# Altium PCB GN-1846-E-V2.PcbDoc (part 4 of 8) (continued)
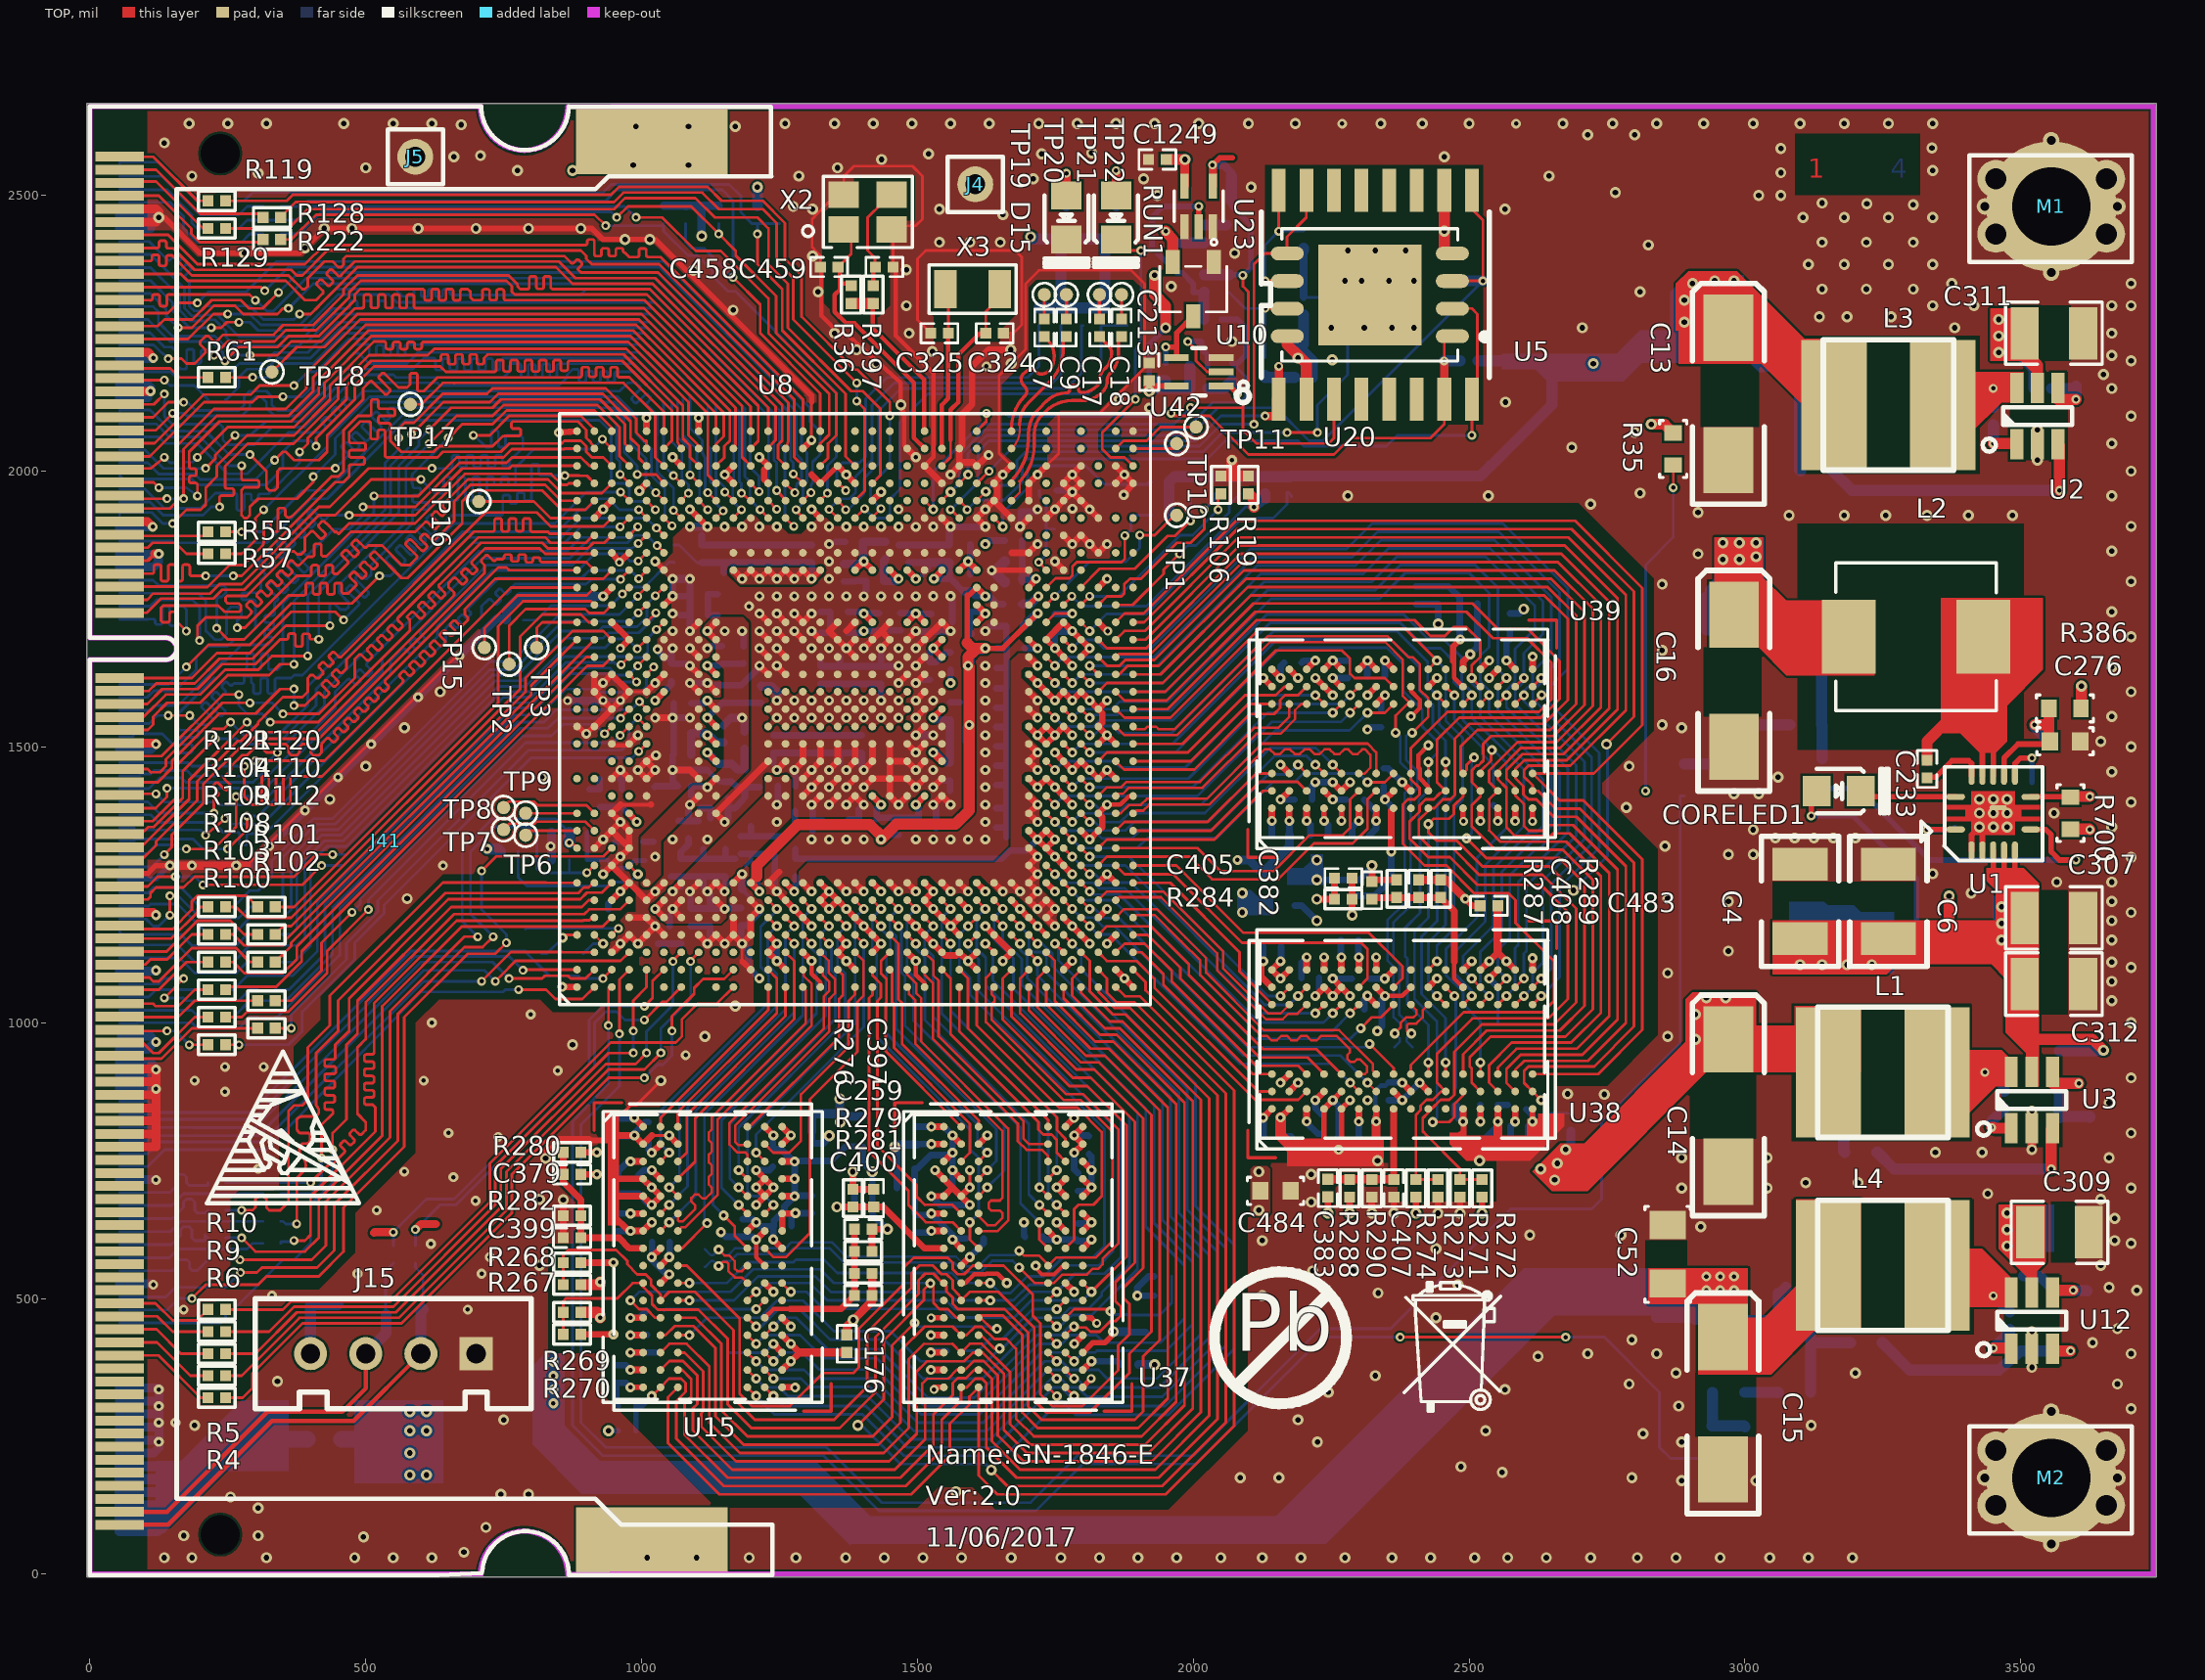
[diagram p0: TOP view]
## Nets (pads, with @x,y where several pads share a name; then routed paths per layer and width w, separated by ;. In a path a pad name is that pad's centre, name@x,y a point inside that pad or via, vN(x,y) a via of type N, cw(c..) or ccw(c..) an arc to the next point about the centre after c; other vN are vias at no path point) (continued)
G0_A1_656_5: U8.E25 | length 1229.3
  TOP w5: v3(210,1340) v3(245,1370) ; v3(995,1805) 995,1806.04 1009.48,1820.52 U8.E25@1009,1820.52
  BOTTOM w5: 54,1353.46 80,1353.46 80,1349.5 200.5,1349.5 v3(210,1340) ; v3(245,1370) 255,1360 312.67,1360 645,1692.33 645,1715 651.94,1721.94 cw(c654.6,1719.29) 657.25,1721.94 661.88,1717.32 ccw(c664.53,1719.97) 667.18,1717.32 671.07,1721.21 ccw(c668.42,1723.86) 672.17,1723.86 ccw(c668.42,1723.86) 671.07,1726.51 668.55,1729.02 cw(c671.2,1731.68) 667.45,1731.68 cw(c671.2,1731.68) 668.55,1734.33 672.44,1738.22 cw(c675.09,1735.56) 677.75,1738.22 680.26,1735.7 ccw(c682.91,1738.35) 685.56,1735.7 689.45,1739.59 ccw(c686.8,1742.24) 690.55,1742.24 ccw(c686.8,1742.24) 689.45,1744.89 686.94,1747.41 cw(c689.59,1750.06) 685.84,1750.06 cw(c689.59,1750.06) 686.94,1752.71 741.42,1807.19 892.19,1807.19 905,1820 980,1820 v3(995,1805)
G0_A1_656_6: U8.E26 | length 1224.5
  TOP w5: v3(250,1315) 285,1350 v3(285,1375) ; v3(994,1837) U8.E26@1009,1852.01
  BOTTOM w5: 54,1329.84 80.16,1329.84 81,1330.68 81,1332.84 187,1332.84 204.84,1315 v3(250,1315) ; v3(285,1375) 305,1375 630,1700 630,1720 730,1820 885,1820 915,1850 966,1850 979,1837 v3(994,1837)
G0_A1_656_7: U8.F26 | length 1290.8
  TOP w5: v3(175,1315) 225,1315 265,1355 v3(265,1410) ; v3(1028,1865) 1040.49,1852.51 U8.F26@1040.49,1852.01
  BOTTOM w5: 54,1306.22 103,1306.22 119,1322.22 154,1322.22 154,1322 161,1315 v3(175,1315) ; v3(265,1410) 303.03,1410 530,1636.97 530,1660 711.96,1841.96 870,1841.96 898.04,1870 974.36,1870 987.86,1883.5 1009.5,1883.5 v3(1028,1865)
G0_A1_656_CLK: J41.102 U8.B26 | length 1228
  TOP w5: v3(135,1305) 148.41,1318.41 148.41,1340.68 206,1398.27 206,1433 270.62,1497.62 278.21,1497.62 307.38,1526.79 411.79,1526.79 660,1775 660,1780 650,1790 650,1797.06 658.42,1805.47 cw(c661.07,1802.82) 663.72,1805.47 673.04,1796.15 ccw(c675.69,1798.8) 678.34,1796.15 682.23,1800.04 ccw(c679.58,1802.69) 683.33,1802.69 ccw(c679.58,1802.69) 682.24,1805.34 674.61,1812.97 cw(c677.26,1815.62) 673.51,1815.62 cw(c677.26,1815.62) 674.61,1818.27 678.5,1822.16 cw(c681.15,1819.51) 683.8,1822.16 691.43,1814.54 ccw(c694.08,1817.19) 696.73,1814.54 700.62,1818.43 ccw(c697.97,1821.08) 701.72,1821.08 ccw(c697.97,1821.08) 700.62,1823.73 693,1831.35 cw(c695.65,1834) 691.9,1834 cw(c695.65,1834) 693,1836.66 716.34,1860 815,1860 825,1850 914.51,1850 U8.B26@914.51,1852.01
  BOTTOM w5: J41.102@54,1282.6 112.6,1282.6 v3(135,1305)
G0_A1_I2C_CLK: R102.1 U8.E16 | length 973.7
  TOP w5: R102.1@336,990 v3(365,990) ; v3(993,1553) v3(993,1553) U8.E16@1009,1537.05
  BOTTOM w5: v3(365,990) 365,1015 465,1115 465,1144 522.13,1201.13 522.13,1221.13 795,1494 964,1494 977,1507 977,1537 v3(993,1553)
G0_A1_I2C_SDA: R103.1 U8.D16 | length 983.8
  TOP w5: R103.1@246,1010 275,1010 285,1020 360,1020 430,1090 430,1130 v3(505,1205) ; v3(961,1521) 977.05,1537.05 U8.D16@977.5,1537.05
  BOTTOM w5: v3(505,1205) 505,1223 790,1508 948,1508 v3(961,1521)
G0_A2_656_0: U8.C27 | length 1247.2
  TOP w5: 54,1483.39 130,1483.39 241.61,1595 v3(270,1595) ; v3(327,1545) 414.14,1545 580,1710.86 580,1730 575,1735 575,1736.52 581.94,1743.46 ; 581.94,1743.46 cw(c584.6,1740.81) 587.25,1743.47 596.85,1733.86 ccw(c599.5,1736.52) 602.15,1733.86 606.04,1737.75 ccw(c603.39,1740.4) 607.14,1740.4 ccw(c603.39,1740.4) 606.04,1743.06 596.6,1752.5 cw(c599.25,1755.15) 595.5,1755.15 cw(c599.25,1755.15) 596.6,1757.8 600.49,1761.69 cw(c603.14,1759.04) 605.79,1761.69 615.23,1752.25 ccw(c617.89,1754.9) 620.54,1752.25 624.43,1756.14 ccw(c621.77,1758.79) 625.52,1758.79 ccw(c621.77,1758.79) 624.43,1761.44 614.99,1770.88 cw(c617.64,1773.53) 613.89,1773.53 cw(c617.64,1773.53) 614.98,1776.18 618.88,1780.07 cw(c621.53,1777.42) 624.18,1780.07 633.62,1770.63 ccw(c636.27,1773.28) 638.92,1770.63 642.81,1774.52 ccw(c640.16,1777.17) 643.91,1777.17 ccw(c640.16,1777.17) 642.81,1779.83 633.37,1789.27 cw(c636.02,1791.92) 632.27,1791.92 cw(c636.02,1791.92) 633.37,1794.57 708.8,1870 820,1870 830,1860 902.53,1860 912.53,1870 932.5,1870 U8.C27@946.01,1883.51
  BOTTOM w5: v3(270,1595) 270,1575 285,1560 312,1560 v3(327,1545)
G0_A2_656_1: U8.B27 | length 1208
  TOP w5: 54,1459.76 104.79,1459.76 110.56,1454 ; 110,1454 110.56,1454 ; v3(290,1580) 240.24,1580 138,1477.76 138,1465 127,1454 111.44,1454 ; v3(350,1560) 415,1560 480,1625 480,1659.4 487.25,1666.64 cw(c489.9,1663.99) 492.55,1666.64 501.33,1657.86 ccw(c503.98,1660.51) 506.63,1657.86 510.52,1661.75 ccw(c507.87,1664.4) 511.62,1664.4 ccw(c507.87,1664.4) 510.52,1667.05 503.85,1673.73 cw(c506.5,1676.38) 502.75,1676.38 cw(c506.5,1676.38) 503.85,1679.03 507.74,1682.92 cw(c510.39,1680.27) 513.04,1682.92 519.72,1676.25 ccw(c522.37,1678.9) 525.02,1676.25 528.91,1680.14 ccw(c526.26,1682.79) 530.01,1682.79 ccw(c526.26,1682.79) 528.91,1685.44 522.23,1692.11 ; 522.23,1692.12 cw(c524.88,1694.77) 521.13,1694.77 cw(c524.88,1694.77) 522.23,1697.42 526.12,1701.31 cw(c528.77,1698.65) 531.42,1701.31 ; 531.43,1701.31 538.1,1694.63 ccw(c540.75,1697.28) 543.4,1694.63 547.29,1698.52 ccw(c544.64,1701.17) 548.39,1701.17 ccw(c544.64,1701.17) 547.29,1703.82 540.62,1710.5 cw(c543.27,1713.15) 539.52,1713.15 cw(c543.27,1713.15) 540.62,1715.8 544.51,1719.69 cw(c547.16,1717.04) 549.81,1719.69 556.49,1713.02 ccw(c559.14,1715.67) 561.79,1713.02 565.68,1716.91 ccw(c563.03,1719.56) 566.78,1719.56 ccw(c563.03,1719.56) 565.68,1722.21 558.76,1729.12 cw(c561.42,1731.77) 557.67,1731.77 cw(c561.42,1731.77) 558.76,1734.43 704.34,1880 825,1880 835,1870 898.93,1870 913.47,1884.55 U8.B27@914.51,1883.51 ; 110.56,1454 111.44,1454 ; 110.56,1454 111,1453.56 111.44,1454
  BOTTOM w5: v3(290,1580) 330,1580 v3(350,1560)
G0_A2_656_2: U8.A27 | length 1274.9
  TOP w5: 54,1436.14 123.14,1436.14 149,1462 149,1475.14 234.43,1560.57 300.57,1560.57 345,1605 v3(370,1605) ; v3(370,1575) 390,1575 411.94,1596.94 cw(c414.6,1594.29) 417.25,1596.94 423.32,1590.88 ccw(c425.97,1593.53) 428.62,1590.88 432.51,1594.77 ccw(c429.86,1597.42) 433.61,1597.42 ccw(c429.86,1597.42) 432.51,1600.07 422.07,1610.51 cw(c424.72,1613.16) 420.97,1613.16 cw(c424.72,1613.16) 422.07,1615.81 425.96,1619.7 cw(c428.61,1617.05) 431.26,1619.7 440.4,1610.56 ccw(c443.05,1613.22) 445.7,1610.56 449.59,1614.45 ccw(c446.94,1617.1) 450.69,1617.1 ccw(c446.94,1617.1) 449.59,1619.76 439.98,1629.37 cw(c442.63,1632.02) 438.88,1632.02 cw(c442.63,1632.02) 439.98,1634.67 443.87,1638.56 cw(c446.52,1635.91) 449.17,1638.56 452.64,1635.1 ccw(c455.29,1637.75) 457.94,1635.1 465,1642.16 465,1658.54 696.92,1890.46 729.75,1890.46 ccw(c729.75,1894.21) 733.5,1894.21 733.5,1910.38 cw(c737.25,1910.38) 737.25,1914.13 742.75,1914.13 cw(c742.75,1910.38) 746.5,1910.38 746.5,1894.36 ccw(c750.25,1894.36) 750.25,1890.61 755.75,1890.61 ccw(c755.75,1894.36) 759.5,1894.36 759.5,1910.38 cw(c763.25,1910.38) 763.25,1914.13 768.75,1914.13 cw(c768.75,1910.38) 772.5,1910.38 772.5,1894.96 ccw(c776.25,1894.96) 776.25,1891.21 781.75,1891.21 ccw(c781.75,1894.96) 785.5,1894.96 785.5,1910.38 cw(c789.25,1910.38) 789.25,1914.13 794.75,1914.13 cw(c794.75,1910.38) 798.5,1910.38 798.5,1893.75 ccw(c802.25,1893.75) 802.25,1890 830,1890 833.48,1886.52 880,1886.52 U8.A27@883.01,1883.51
  BOTTOM w5: v3(370,1575) v3(370,1605)
G0_A2_656_3: U8.E27 | length 1231.2
  TOP w5: 54,1412.52 65,1412.52 67.48,1415 v3(120,1415) ; v3(994,1869) 1008.51,1883.51 U8.E27@1009,1883.51
  BOTTOM w5: v3(120,1415) 135,1400 231.06,1400 236.39,1394.67 307.17,1394.67 545,1632.5 545,1655 566.94,1676.94 cw(c569.6,1674.29) 572.25,1676.94 578.25,1670.94 ccw(c580.9,1673.59) 583.55,1670.94 587.44,1674.83 ccw(c584.79,1677.48) 588.54,1677.48 ccw(c584.79,1677.48) 587.44,1680.13 581.31,1686.26 cw(c583.97,1688.91) 580.22,1688.91 cw(c583.97,1688.91) 581.31,1691.56 ; 581.31,1691.57 585.2,1695.46 cw(c587.86,1692.8) 590.51,1695.46 596.64,1689.32 ccw(c599.29,1691.98) 601.94,1689.32 605.83,1693.21 ; 605.83,1693.22 ccw(c603.18,1695.87) 606.93,1695.87 ccw(c603.18,1695.87) 605.83,1698.52 599.7,1704.65 cw(c602.35,1707.3) 598.6,1707.3 cw(c602.35,1707.3) 599.7,1709.95 719.75,1830 875,1830 905,1860 982.49,1860 v3(994,1869)
G0_A2_656_4: U8.D27 | length 1259.1
  TOP w5: 54,1388.9 119.5,1388.9 139.71,1409.11 139.71,1419.71 140,1420 v3(140,1425) ; U8.D27@977.5,1883.51 v3(993,1899)
  BOTTOM w5: v3(140,1425) 300,1425 445,1570 445,1600 466.94,1621.94 cw(c469.6,1619.29) 472.25,1621.94 480.27,1613.92 ccw(c482.92,1616.57) 485.57,1613.92 489.46,1617.81 ccw(c486.81,1620.46) 490.56,1620.46 ccw(c486.81,1620.46) 489.46,1623.11 482.85,1629.72 cw(c485.51,1632.38) 481.76,1632.38 cw(c485.51,1632.38) 482.85,1635.03 486.74,1638.92 cw(c489.39,1636.26) 492.04,1638.92 500.77,1630.19 ccw(c503.42,1632.85) 506.07,1630.19 509.96,1634.08 ccw(c507.31,1636.74) 511.06,1636.74 ccw(c507.31,1636.74) 509.96,1639.39 502.52,1646.83 cw(c505.17,1649.48) 501.42,1649.48 cw(c505.17,1649.48) 502.52,1652.13 705.39,1855 865,1855 890,1880 971.49,1880 991.75,1900.25 v3(993,1899)
G0_A2_656_5: U8.F27 | length 1303.5
  TOP w5: 54,1365.28 113.51,1365.28 159.5,1411.27 159.5,1469 223,1532.5 242.5,1532.5 v3(255,1545) ; v3(1027,1897) U8.F27@1040.49,1883.51
  BOTTOM w5: v3(255,1545) 285,1515 350,1515 410,1575 410,1605 685,1880 855,1880 890,1915 1009,1915 v3(1027,1897)
G0_A2_656_6: U8.D28 | length 1214.9
  TOP w5: 54,1341.65 54,1340.01 91.08,1340.01 105.94,1354.87 115.83,1354.87 168.5,1407.54 168.5,1456.5 v3(227,1515) ; v3(961,1899) 977.01,1915.01 U8.D28@977.5,1915.01
  BOTTOM w5: v3(227,1515) 265,1515 275,1505 355,1505 425,1575 425,1600 695,1870 861,1870 890,1899 v3(961,1899)
G0_A2_656_7: U8.E28 | length 1291.6
  TOP w5: 54,1318.03 54,1316.39 91.08,1316.39 180,1405.31 180,1440 v3(285,1545) ; v3(995,1930) 1009,1916 U8.E28@1009,1915.01
  BOTTOM w5: v3(285,1545) 305,1525 345,1525 395,1575 395,1610 675,1890 847.24,1890 887.24,1930 900,1930 920,1950 940,1950 960,1930 v3(995,1930)
G0_A2_656_CLK: J41.101 U8.C28 | length 1267.3
  TOP w5: J41.101@54,1294.41 54,1292.77 91.08,1292.77 120,1321.69 120,1328.79 194.51,1403.3 194.51,1437.41 268,1510.9 274,1510.9 305.1,1542 305.1,1545.1 315,1555 315,1555.2 349.8,1590 385,1590 395,1600 395,1625 400,1630 405,1630 410,1625 415,1625 421.94,1631.94 ccw(c419.29,1634.6) 423.04,1634.6 ccw(c419.29,1634.6) 421.94,1637.25 416.04,1643.15 cw(c418.69,1645.8) 414.94,1645.8 cw(c418.69,1645.8) 416.04,1648.45 419.93,1652.34 cw(c422.58,1649.69) 425.23,1652.34 430.71,1646.86 ccw(c433.36,1649.52) 436.02,1646.86 439.91,1650.75 ccw(c437.25,1653.4) 441,1653.4 ccw(c437.25,1653.4) 439.91,1656.06 434.43,1661.54 cw(c437.08,1664.19) 433.33,1664.19 cw(c437.08,1664.19) 434.43,1666.84 438.32,1670.73 cw(c440.97,1668.08) 443.62,1670.73 450.68,1663.67 ccw(c453.33,1666.32) 455.98,1663.66 ; 455.98,1663.67 717.32,1925 810,1925 835,1900 931,1900 U8.C28@946.01,1915.01
G0_A2_I2C_CLK: R100.1 U8.E15 | length 1035.8
  TOP w5: R100.1@246,960 v3(270,960) ; v3(995,1492) 1008.56,1505.56 U8.E15@1009,1505.56
  BOTTOM w5: v3(270,960) 360,960 385,985 385,1020 480,1115 480,1145 533.56,1198.56 533.56,1213.56 800,1480 983,1480 v3(995,1492)
G0_A2_I2C_SDA: R101.1 U8.C16 | length 865.1
  TOP w5: R101.1@336,1040 365,1040 420,1095 420,1145 v3(475,1200) ; v3(933,1524) U8.C16@946.01,1537.05
  BOTTOM w5: v3(475,1200) 490,1215 490,1225 785,1520 837,1520 858,1541 916,1541 v3(933,1524)
G1_A1_656_0: U8.B29 | length 1374.2
  TOP w5: v3(230,1715) 250,1695 280,1695 360,1775 387.75,1775 ccw(c387.75,1778.75) 391.5,1778.75 391.5,1793.38 cw(c395.25,1793.38) 395.25,1797.13 400.75,1797.13 cw(c400.75,1793.38) 404.5,1793.38 404.5,1780.45 ccw(c408.25,1780.45) 408.25,1776.7 413.75,1776.7 ccw(c413.75,1780.45) 417.5,1780.45 417.5,1793.38 cw(c421.25,1793.38) 421.25,1797.13 426.75,1797.13 cw(c426.75,1793.38) 430.5,1793.38 430.5,1780.45 ccw(c434.25,1780.45) 434.25,1776.7 439.75,1776.7 ccw(c439.75,1780.45) 443.5,1780.45 443.5,1793.38 cw(c447.25,1793.38) 447.25,1797.13 452.75,1797.13 cw(c452.75,1793.38) 456.5,1793.38 456.5,1782.02 ccw(c460.25,1782.02) 460.25,1778.27 468.27,1778.27 481.94,1791.94 ccw(c479.29,1794.6) 483.04,1794.6 ccw(c479.29,1794.6) 481.94,1797.25 472.3,1806.89 cw(c474.95,1809.54) 471.2,1809.54 cw(c474.95,1809.54) 472.3,1812.19 476.19,1816.08 cw(c478.84,1813.43) 481.49,1816.08 490.86,1806.72 ccw(c493.51,1809.37) 496.16,1806.72 500.05,1810.61 ccw(c497.4,1813.26) 501.15,1813.26 ccw(c497.4,1813.26) 500.05,1815.91 490.69,1825.28 cw(c493.34,1827.93) 489.59,1827.93 cw(c493.34,1827.93) 490.69,1830.58 494.58,1834.47 cw(c497.23,1831.82) 499.88,1834.47 510.94,1823.4 ccw(c513.59,1826.06) 516.24,1823.4 520.14,1827.29 ccw(c517.48,1829.94) 521.23,1829.94 ccw(c517.48,1829.94) 520.14,1832.59 509.07,1843.66 cw(c511.72,1846.31) 507.97,1846.31 cw(c511.72,1846.31) 509.07,1848.96 512.96,1852.85 cw(c515.61,1850.2) 518.26,1852.85 565,1806.12 576.12,1806.12 675,1905 675,1945 695,1965 820,1965 855,1930 898.01,1930 U8.B29@914.51,1946.5
  BOTTOM w5: 54,1802.28 115,1802.28 125,1792.28 242.72,1792.28 247,1788 247,1780 239,1772 234,1772 230,1768 v3(230,1715)
G1_A1_656_1: U8.A29 | length 1389.5
  TOP w5: v3(267,1716) 281,1716 375,1810 397.75,1810 ccw(c397.75,1813.75) 401.5,1813.75 401.5,1825.73 cw(c405.25,1825.73) 405.25,1829.48 410.75,1829.48 cw(c410.75,1825.73) 414.5,1825.73 414.5,1813.88 ccw(c418.25,1813.88) 418.25,1810.13 423.75,1810.13 ccw(c423.75,1813.88) 427.5,1813.88 427.5,1825.73 cw(c431.25,1825.73) 431.25,1829.48 436.75,1829.48 cw(c436.75,1825.73) 440.5,1825.73 440.5,1817.55 ccw(c444.25,1817.55) 444.25,1813.8 448.8,1813.8 466.94,1831.94 ccw(c464.29,1834.6) 468.04,1834.6 ccw(c464.29,1834.6) 466.94,1837.25 457.56,1846.64 cw(c460.21,1849.29) 456.46,1849.29 cw(c460.21,1849.29) 457.56,1851.94 461.45,1855.83 cw(c464.1,1853.18) 466.75,1855.83 476.78,1845.8 ccw(c479.43,1848.45) 482.08,1845.8 485.97,1849.69 ccw(c483.32,1852.34) 487.07,1852.34 ccw(c483.32,1852.34) 485.97,1854.99 475.94,1865.02 cw(c478.59,1867.67) 474.84,1867.67 cw(c478.59,1867.67) 475.94,1870.32 479.83,1874.21 cw(c482.48,1871.56) 485.13,1874.21 496.81,1862.54 ccw(c499.46,1865.19) 502.11,1862.54 504.57,1865 530,1865 565,1830 580,1830 591.94,1841.94 ccw(c589.29,1844.6) 593.04,1844.6 ccw(c589.29,1844.6) 591.94,1847.25 573.61,1865.59 cw(c576.26,1868.24) 572.51,1868.24 cw(c576.26,1868.24) 573.61,1870.89 577.5,1874.78 cw(c580.15,1872.13) 582.8,1874.78 600.93,1856.65 ccw(c603.58,1859.3) 606.23,1856.65 610.12,1860.54 ccw(c607.47,1863.19) 611.22,1863.19 ccw(c607.47,1863.19) 610.12,1865.84 600.08,1875.88 cw(c602.73,1878.53) 598.98,1878.53 cw(c602.73,1878.53) 600.08,1881.18 603.97,1885.07 cw(c606.62,1882.42) 609.27,1885.08 619.31,1875.03 ccw(c621.97,1877.68) 624.62,1875.03 634.59,1885 635,1885 660,1910 660,1945 690,1975 825,1975 853.5,1946.5 U8.A29@883.01,1946.5
  BOTTOM w5: 54,1778.66 196.34,1778.66 210,1765 210,1710 211,1710 226.51,1694.49 238,1694.49 248,1704.49 248,1746 256,1754 268,1754 275,1747 275,1737 267,1729 v3(267,1716)
G1_A1_656_2: U8.C30 | length 1365.5
  TOP w5: v3(199,1693) 195,1695 195,1720 210,1735 285,1735 291.94,1741.94 ccw(c289.29,1744.6) 293.04,1744.6 ccw(c289.29,1744.6) 291.94,1747.25 285.05,1754.14 cw(c287.71,1756.79) 283.96,1756.79 cw(c287.71,1756.79) 285.05,1759.44 288.94,1763.33 cw(c291.59,1760.68) 294.25,1763.33 301.19,1756.39 ccw(c303.84,1759.04) 306.49,1756.39 310.38,1760.28 ccw(c307.73,1762.93) 311.48,1762.93 ccw(c307.73,1762.93) 310.38,1765.58 303.44,1772.52 cw(c306.09,1775.18) 302.34,1775.18 cw(c306.09,1775.18) 303.44,1777.83 307.33,1781.72 cw(c309.98,1779.06) 312.63,1781.72 319.57,1774.77 ; 319.58,1774.77 ccw(c322.23,1777.42) 324.88,1774.77 328.77,1778.66 ccw(c326.11,1781.31) 329.86,1781.31 ccw(c326.11,1781.31) 328.77,1783.96 ; 328.77,1783.97 321.82,1790.91 cw(c324.47,1793.56) 320.72,1793.56 cw(c324.47,1793.56) 321.82,1796.21 325.71,1800.1 cw(c328.36,1797.45) 331.02,1800.1 337.96,1793.16 ccw(c340.61,1795.81) 343.26,1793.16 347.15,1797.05 ccw(c344.5,1799.7) 348.25,1799.7 ccw(c344.5,1799.7) 347.15,1802.35 340.21,1809.29 cw(c342.86,1811.95) 339.11,1811.95 cw(c342.86,1811.95) 340.21,1814.6 344.1,1818.49 cw(c346.75,1815.83) 349.4,1818.49 356.34,1811.54 ccw(c358.99,1814.19) 361.64,1811.54 365.54,1815.43 ccw(c362.88,1818.08) 366.63,1818.08 ccw(c362.88,1818.08) 365.54,1820.74 358.59,1827.68 cw(c361.24,1830.33) 357.49,1830.33 cw(c361.24,1830.33) 358.59,1832.98 362.48,1836.87 cw(c365.13,1834.22) 367.78,1836.87 374.73,1829.93 ccw(c377.38,1832.58) 380.03,1829.93 395.1,1845 402.75,1845 ccw(c402.75,1848.75) 406.5,1848.75 406.5,1864.53 cw(c410.25,1864.53) 410.25,1868.28 415.75,1868.28 cw(c415.75,1864.53) 419.5,1864.53 419.5,1849.51 ccw(c423.25,1849.51) 423.25,1845.76 428.75,1845.76 472.99,1890 590,1890 606.94,1906.94 cw(c609.6,1904.29) 612.25,1906.94 622.63,1896.56 ccw(c625.28,1899.21) 627.94,1896.56 631.82,1900.45 ccw(c629.17,1903.1) 632.92,1903.1 ccw(c629.17,1903.1) 631.83,1905.75 ; 631.82,1905.75 620.95,1916.63 cw(c623.6,1919.28) 619.85,1919.28 cw(c623.6,1919.28) 620.95,1921.93 624.84,1925.82 cw(c627.49,1923.17) 630.14,1925.82 635.6,1920.37 ccw(c638.25,1923.02) 640.9,1920.36 ; 640.9,1920.37 644.79,1924.26 ccw(c642.14,1926.91) 645.89,1926.91 ccw(c642.14,1926.91) 644.79,1929.56 641.08,1933.26 cw(c643.74,1935.91) 639.99,1935.91 639.99,1939.99 685,1985 830.41,1985 855.41,1960 928.01,1960 U8.C30@946.01,1978
  BOTTOM w5: 54,1755.04 109.04,1755.04 121,1767 186,1767 199,1754 v3(199,1693)
G1_A1_656_3: U8.A30 | length 1387.8
  TOP w5: v3(175,1710) 175,1710.24 157.5,1727.74 157.5,1741.22 ccw(c153.75,1741.22) 153.75,1744.97 148.25,1744.97 ccw(c148.25,1741.22) 144.5,1741.22 144.5,1729.75 cw(c140.75,1729.75) 140.75,1726 132,1726 129,1729 129,1752 133,1756 233,1756 244,1745 271,1745 274,1748 274,1756.31 270.31,1760 250,1760 246,1764 246,1771 248.69,1773.69 284,1773.69 365,1854.69 370.31,1854.69 376,1849 383,1849 390,1856 390,1879.69 400.25,1889.94 cw(c402.9,1887.29) 405.55,1889.94 416.75,1878.75 ccw(c419.4,1881.4) 422.05,1878.75 425.94,1882.64 ccw(c423.29,1885.29) 427.04,1885.29 ccw(c423.29,1885.29) 425.94,1887.94 415.59,1898.29 cw(c418.24,1900.95) 414.49,1900.95 cw(c418.24,1900.95) 415.59,1903.6 420.99,1909 424.54,1909 428,1905.54 428.46,1905.54 444,1890 ; 444,1889 444,1890 ; U8.A30@883.01,1978 868,1978 865,1975 856.02,1975 836.02,1995 679.51,1995 589.51,1905 470,1905 451,1886 447,1890 444,1890
  BOTTOM w5: 54,1731.42 105,1731.42 105.31,1731.73 114.75,1731.73 cw(c114.75,1727.98) 118.5,1727.98 118.5,1725.84 ccw(c122.25,1725.84) 122.25,1722.09 127.75,1722.09 ccw(c127.75,1725.84) 131.5,1725.84 131.5,1751.92 cw(c135.25,1751.92) 135.25,1755.67 140.75,1755.67 cw(c140.75,1751.92) 144.5,1751.92 144.5,1723.71 ccw(c148.25,1723.71) 148.25,1719.96 153.75,1719.96 ccw(c153.75,1723.71) 157.5,1723.71 157.5,1751.5 161,1755 169,1755 175,1749 v3(175,1710)
G1_A1_656_4: U8.B30 | length 1395.6
  TOP w5: v3(175,1645) 215,1685 290,1685 365,1760 475,1760 v3(525,1810) ; v3(861,1992) 887.5,1992 888,1991.5 901.01,1991.5 U8.B30@914.51,1978
  BOTTOM w5: 54,1613.31 143.31,1613.31 v3(175,1645) ; v3(525,1810) 545,1810 551.94,1816.94 ccw(c549.29,1819.6) 553.04,1819.6 ccw(c549.29,1819.6) 551.94,1822.25 537.63,1836.57 ; 537.62,1836.57 cw(c540.28,1839.22) 536.53,1839.22 cw(c540.28,1839.22) 537.63,1841.87 541.51,1845.76 cw(c544.17,1843.11) 546.82,1845.76 561.36,1831.21 ccw(c564.02,1833.87) 566.67,1831.21 570.56,1835.1 ccw(c567.9,1837.75) 571.65,1837.75 ccw(c567.9,1837.75) 570.56,1840.4 556.01,1854.95 cw(c558.66,1857.6) 554.91,1857.6 cw(c558.66,1857.6) 556.01,1860.25 559.9,1864.14 cw(c562.55,1861.49) 565.2,1864.15 579.75,1849.6 ccw(c582.4,1852.25) 585.05,1849.6 588.94,1853.49 ccw(c586.29,1856.14) 590.04,1856.14 ccw(c586.29,1856.14) 588.94,1858.79 574.4,1873.34 cw(c577.05,1875.99) 573.3,1875.99 cw(c577.05,1875.99) 574.4,1878.64 578.28,1882.53 cw(c580.94,1879.88) 583.59,1882.53 598.13,1867.98 ccw(c600.78,1870.63) 603.44,1867.98 607.33,1871.87 ccw(c604.67,1874.52) 608.42,1874.52 ccw(c604.67,1874.52) 607.33,1877.18 592.78,1891.72 cw(c595.43,1894.37) 591.68,1894.37 cw(c595.43,1894.37) 592.78,1897.02 596.67,1900.91 cw(c599.32,1898.26) 601.97,1900.91 616.52,1886.37 ccw(c619.17,1889.02) 621.82,1886.37 625.71,1890.26 ccw(c623.06,1892.91) 626.81,1892.91 ccw(c623.06,1892.91) 625.71,1895.56 611.16,1910.11 cw(c613.82,1912.76) 610.07,1912.76 cw(c613.82,1912.76) 611.16,1915.41 615.05,1919.3 cw(c617.71,1916.65) 620.36,1919.3 635.48,1904.18 ccw(c638.13,1906.83) 640.78,1904.18 649.38,1912.77 650,1912.77 657.23,1920 744.75,1920 ccw(c744.75,1923.75) 748.5,1923.75 748.5,1953.02 cw(c752.25,1953.02) 752.25,1956.77 757.75,1956.77 cw(c757.75,1953.02) 761.5,1953.02 761.5,1944.95 ccw(c765.25,1944.95) 765.25,1941.2 770.75,1941.2 ccw(c770.75,1944.95) 774.5,1944.95 774.5,1957.02 cw(c778.25,1957.02) 778.25,1960.77 783.75,1960.77 cw(c783.75,1957.02) 787.5,1957.02 787.5,1950.29 ccw(c791.25,1950.29) 791.25,1946.54 796.75,1946.54 ccw(c796.75,1950.29) 800.5,1950.29 800.5,2009.08 cw(c804.25,2009.08) 804.25,2012.83 809.75,2012.83 cw(c809.75,2009.08) 813.5,2009.08 813.5,1996.34 ccw(c817.25,1996.34) 817.25,1992.59 833.96,1992.59 834.54,1992 v3(861,1992)
G1_A1_656_5: U8.A31 | length 1356.2
  TOP w5: v3(470,1920) 590,1920 675,2005 760,2005 765,2010 882.5,2010 U8.A31@883.01,2009.49
  BOTTOM w5: 54,1589.68 103.68,1589.68 116,1602 155,1602 193,1640 193,1662 213,1682 249,1682 262,1695 280,1695 300,1715 300,1762.75 ccw(c296.25,1762.75) 296.25,1766.5 279,1766.5 cw(c279,1770.25) 275.25,1770.25 275.25,1775.75 cw(c279,1775.75) 279,1779.5 306.25,1779.5 ccw(c306.25,1783.25) 310,1783.25 310,1802.63 316.94,1809.58 ccw(c314.29,1812.23) 318.04,1812.23 ccw(c314.29,1812.23) 316.94,1814.88 304.55,1827.27 cw(c307.2,1829.93) 303.45,1829.93 cw(c307.2,1829.93) 304.55,1832.58 308.44,1836.47 cw(c311.09,1833.82) 313.74,1836.47 324.79,1825.42 ccw(c327.44,1828.08) 330.09,1825.42 333.98,1829.31 ccw(c331.33,1831.96) 335.08,1831.96 ccw(c331.33,1831.96) 333.98,1834.62 322.94,1845.66 cw(c325.59,1848.31) 321.84,1848.31 cw(c325.59,1848.31) 322.93,1850.96 326.82,1854.85 cw(c329.48,1852.2) 332.13,1854.85 343.17,1843.81 ccw(c345.82,1846.46) 348.47,1843.81 352.36,1847.7 ccw(c349.71,1850.35) 353.46,1850.35 ccw(c349.71,1850.35) 352.36,1853 341.32,1864.04 cw(c343.97,1866.7) 340.22,1866.7 cw(c343.97,1866.7) 341.32,1869.35 345.21,1873.24 cw(c347.86,1870.58) 350.51,1873.24 361.56,1862.19 ccw(c364.21,1864.85) 366.86,1862.19 370.75,1866.08 ccw(c368.1,1868.73) 371.85,1868.73 ccw(c368.1,1868.73) 370.75,1871.39 359.71,1882.43 cw(c362.36,1885.08) 358.61,1885.08 cw(c362.36,1885.08) 359.7,1887.73 363.59,1891.62 cw(c366.25,1888.97) 368.9,1891.62 379.94,1880.58 ccw(c382.59,1883.23) 385.24,1880.58 389.13,1884.47 ccw(c386.48,1887.12) 390.23,1887.12 ccw(c386.48,1887.12) 389.13,1889.77 378.09,1900.81 ; 378.09,1900.82 cw(c380.74,1903.47) 376.99,1903.47 cw(c380.74,1903.47) 378.09,1906.12 381.98,1910.01 cw(c384.63,1907.35) 387.28,1910.01 398.33,1898.96 ccw(c400.98,1901.61) 403.63,1898.96 407.52,1902.85 ccw(c404.87,1905.5) 408.62,1905.5 ccw(c404.87,1905.5) 407.52,1908.16 396.47,1919.2 ; 396.47,1919.2 cw(c399.13,1921.85) 395.38,1921.85 cw(c399.13,1921.85) 396.47,1924.5 ; 396.47,1924.5 400.36,1928.39 cw(c403.02,1925.74) 405.67,1928.39 421.57,1912.49 ccw(c424.22,1915.14) 426.87,1912.49 434.38,1920 v3(470,1920)
G1_A1_656_6: U8.B31 | length 1370
  TOP w5: v3(495,1935) 590,1935 670,2015 755,2015 765,2025 890,2025 905.51,2009.49 U8.B31@914.51,2009.49
  BOTTOM w5: 54,1566.06 111.06,1566.06 120,1575 160,1575 240,1655 245,1655 275,1685 323.32,1685 331.32,1693 331.32,1695.75 ccw(c327.57,1695.75) 327.57,1699.5 320.51,1699.5 cw(c320.51,1703.25) 316.76,1703.25 316.76,1708.75 cw(c320.51,1708.75) 320.51,1712.5 329.8,1712.5 ccw(c329.8,1716.25) 333.55,1716.25 333.55,1721.75 ccw(c329.8,1721.75) 329.8,1725.5 320.51,1725.5 cw(c320.51,1729.25) 316.76,1729.25 316.76,1734.75 cw(c320.51,1734.75) 320.51,1738.5 331.25,1738.5 ccw(c331.25,1742.25) 335,1742.25 335,1761.32 339.67,1765.99 ccw(c337.02,1768.64) 340.77,1768.64 ccw(c337.02,1768.64) 339.67,1771.29 322.79,1788.17 cw(c325.44,1790.83) 321.69,1790.83 cw(c325.44,1790.83) 322.79,1793.48 326.68,1797.37 cw(c329.33,1794.71) 331.98,1797.37 348.86,1780.49 ccw(c351.51,1783.14) 354.16,1780.49 358.05,1784.37 ccw(c355.4,1787.03) 359.15,1787.03 ccw(c355.4,1787.03) 358.05,1789.68 341.17,1806.56 cw(c343.82,1809.21) 340.07,1809.21 cw(c343.82,1809.21) 341.17,1811.86 345.06,1815.75 cw(c347.71,1813.1) 350.37,1815.75 367.25,1798.87 ccw(c369.9,1801.52) 372.55,1798.87 376.44,1802.76 ccw(c373.79,1805.41) 377.54,1805.41 ccw(c373.79,1805.41) 376.44,1808.06 359.56,1824.94 cw(c362.21,1827.6) 358.46,1827.6 cw(c362.21,1827.6) 359.56,1830.25 363.45,1834.14 cw(c366.1,1831.48) 368.75,1834.14 385.63,1817.26 ccw(c388.28,1819.91) 390.93,1817.25 394.82,1821.14 ccw(c392.17,1823.8) 395.92,1823.8 ccw(c392.17,1823.8) 394.82,1826.45 377.94,1843.33 cw(c380.59,1845.98) 376.84,1845.98 cw(c380.59,1845.98) 377.94,1848.63 381.83,1852.52 cw(c384.48,1849.87) 387.13,1852.52 390.78,1848.88 ccw(c393.43,1851.53) 396.08,1848.88 442.2,1895 470,1895 495,1920 v3(495,1935)
G1_A1_656_7: U8.D29 | length 1366.3
  TOP w5: v3(142,1557) v3(181,1557) ; v3(962,1962) U8.D29@977.5,1946.5
  BOTTOM w5: 54,1542.44 107.44,1542.44 122,1557 v3(142,1557) ; v3(181,1557) 198,1540 215,1540 221.94,1546.94 ccw(c219.29,1549.6) 223.04,1549.6 ccw(c219.29,1549.6) 221.94,1552.25 203.65,1570.55 cw(c206.3,1573.2) 202.55,1573.2 cw(c206.3,1573.2) 203.64,1575.85 207.53,1579.74 cw(c210.19,1577.09) 212.84,1579.74 235.31,1557.27 ccw(c237.96,1559.92) 240.61,1557.27 244.5,1561.16 ccw(c241.85,1563.81) 245.6,1563.81 ccw(c241.85,1563.81) 244.5,1566.46 222.03,1588.93 cw(c224.68,1591.58) 220.93,1591.58 cw(c224.68,1591.58) 222.03,1594.23 225.92,1598.12 cw(c228.57,1595.47) 231.22,1598.12 235.59,1593.75 ccw(c238.25,1596.4) 240.9,1593.75 244.79,1597.64 ccw(c242.13,1600.29) 245.88,1600.29 ccw(c242.13,1600.29) 244.79,1602.94 240.42,1607.32 cw(c243.07,1609.97) 239.32,1609.97 cw(c243.07,1609.97) 240.42,1612.62 244.3,1616.51 cw(c246.96,1613.86) 249.61,1616.51 253.39,1612.72 ccw(c256.05,1615.37) 258.7,1612.72 260.98,1615 275.75,1615 ccw(c275.75,1618.75) 279.5,1618.75 279.5,1624.38 cw(c283.25,1624.38) 283.25,1628.13 288.75,1628.13 cw(c288.75,1624.38) 292.5,1624.38 292.5,1617.26 296.5,1613.26 296.5,1600.39 ccw(c300.25,1600.39) 300.25,1596.64 305.75,1596.64 ccw(c305.75,1600.39) 309.5,1600.39 309.5,1621.25 cw(c313.25,1621.25) 313.25,1625 318.75,1625 cw(c318.75,1621.25) 322.5,1621.25 322.5,1600.39 ccw(c326.25,1600.39) 326.25,1596.64 331.75,1596.64 ccw(c331.75,1600.39) 335.5,1600.39 335.5,1621.25 cw(c339.25,1621.25) 339.25,1625 365,1625 370,1630 385,1630 660,1905 843,1905 900,1962 v3(962,1962)